# Altium PCB amp.PcbDoc (part 15 of 20)
Units mm, origin at the board's own origin, x right, y up, seen from the top; angles counter-clockwise.
Board outline 210 x 210 mm, 2 copper layers (Top Layer, Bottom Layer); 742 components, 1354 nets, 6402 pads, 5154 vias.
Unrouted connection lines stored in the file: 702.
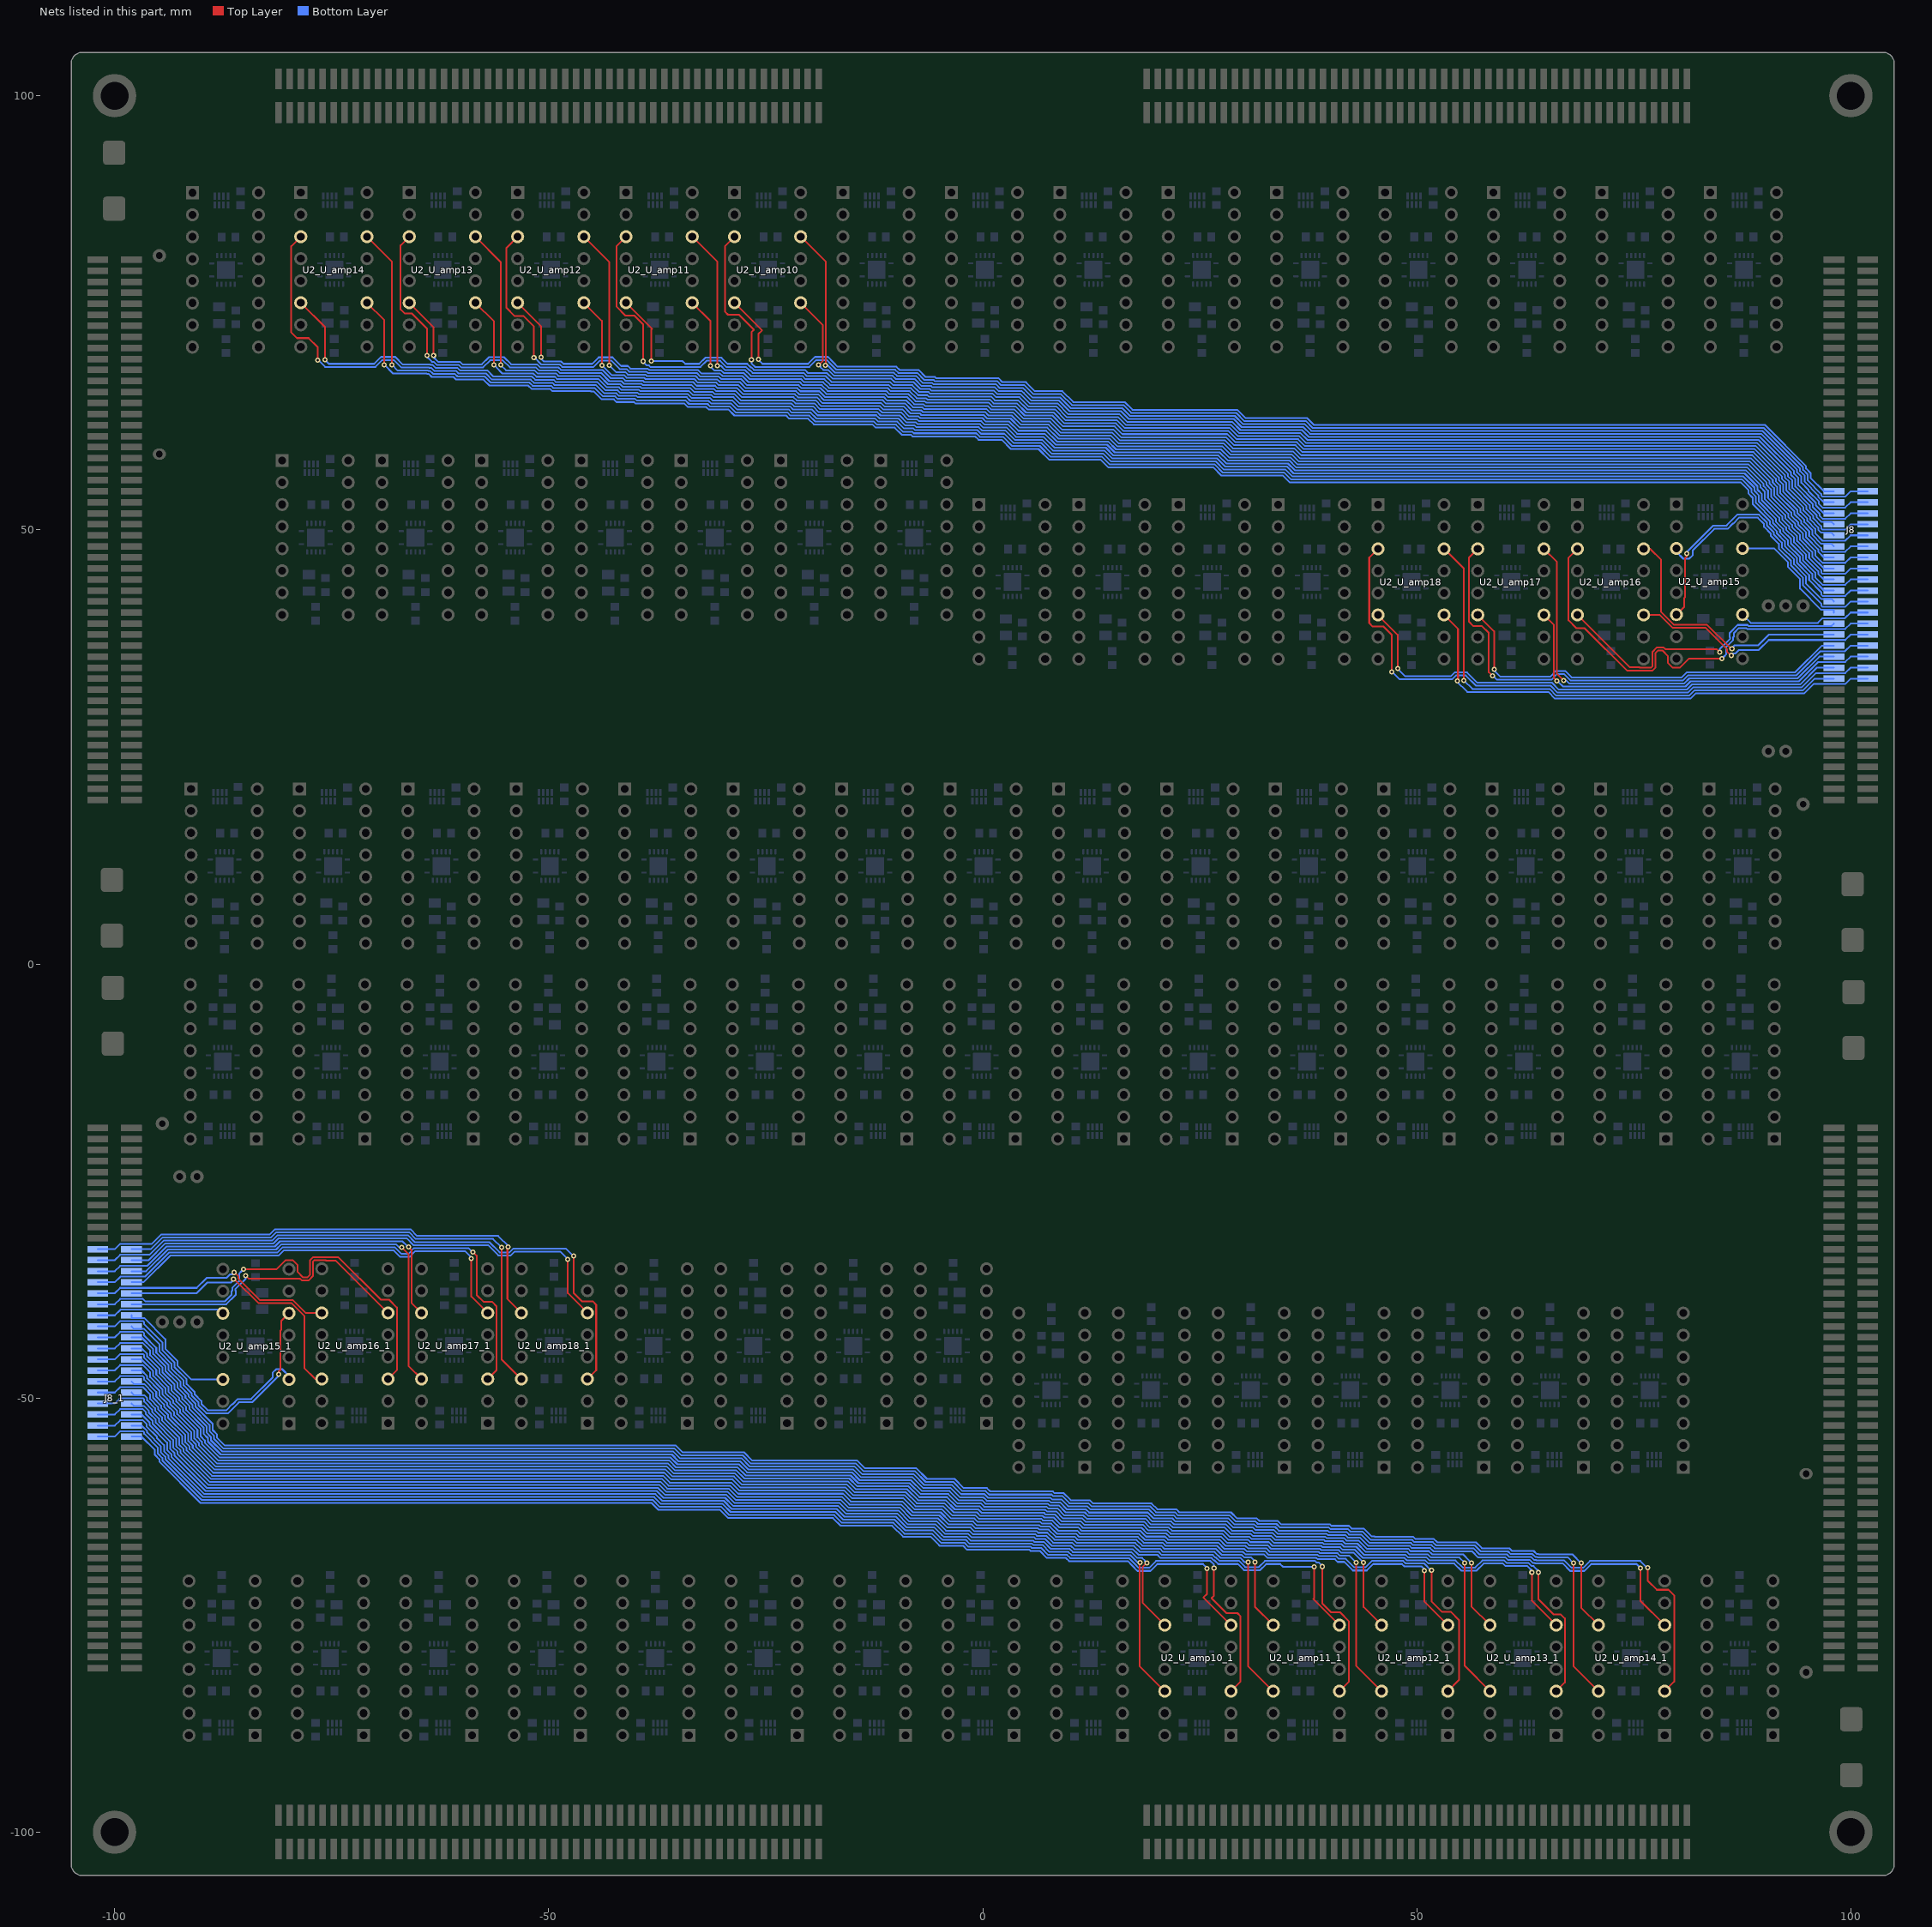
[diagram p15: the nets of this part, all layers, seen from the top]

## Via types
v1: diameter 0.6, hole 0.3, Top Layer to Bottom Layer, tented both sides, 4704 vias
v2: diameter 0.5, hole 0.3, Top Layer to Bottom Layer, 450 vias

## Nets (pads, with @x,y where several pads share a name; then routed paths per layer and width w, separated by ;. In a path a pad name is that pad's centre, name@x,y a point inside that pad or via, vN(x,y) a via of type N, cw(c..) or ccw(c..) an arc to the next point about the centre after c; other vN are vias at no path point) (continued)
NetJ8_23: J8.23 J8_1.23 U2_U_amp18.14 U2_U_amp18_1.14 | length 120.5
  Top Layer w0.2: v1(-55.423,-32.639) -55.423,-45.537 U2_U_amp18_1.14@-53.15,-47.81 ; U2_U_amp18.14@53.15,47.81 55.423,45.537 v1(55.423,32.639)
  Bottom Layer w0.2: J8_1.23@-98.05,-32.855 -95.825,-32.855 -94.465,-31.495 -81.978,-31.495 -81.387,-30.905 -66.074,-30.905 -65.298,-31.681 -56.413,-31.681 -55.456,-32.639 v1(-55.423,-32.639) ; v1(55.423,32.639) 55.456,32.639 56.413,31.681 65.298,31.681 66.074,30.905 81.387,30.905 81.978,31.495 94.465,31.495 95.825,32.855 J8.23@98.05,32.855
NetJ8_24: J8.24 J8_1.24 U2_U_amp18.11 U2_U_amp18_1.11 | length 115.2
  Top Layer w0.2: v1(-54.673,-32.603) -54.75,-32.68 -54.75,-38.59 U2_U_amp18_1.11@-53.15,-40.19 ; U2_U_amp18.11@53.15,40.19 54.75,38.59 54.75,32.68 v1(54.673,32.603)
  Bottom Layer w0.2: J8_1.24@-101.95,-32.855 -99.974,-32.855 -99.354,-32.235 -95.7,-32.235 -94.61,-31.145 -82.123,-31.145 -81.532,-30.555 -65.929,-30.555 -65.153,-31.331 -55.816,-31.331 -54.559,-32.588 -54.574,-32.603 v1(-54.673,-32.603) ; v1(54.673,32.603) 54.574,32.603 54.559,32.588 55.816,31.331 65.153,31.331 65.929,30.555 81.532,30.555 82.123,31.145 94.61,31.145 95.7,32.235 99.354,32.235 99.974,32.855 J8.24@101.95,32.855
NetJ8_25: J8.25 J8_1.25 U2_U_amp18.6 U2_U_amp18_1.6 | length 119.6
  Top Layer w0.2: v1(-47.803,-34.011) -47.803,-37.917 U2_U_amp18_1.6@-45.53,-40.19 ; U2_U_amp18.6@45.53,40.19 47.803,37.917 v1(47.803,34.011)
  Bottom Layer w0.2: J8_1.25@-98.05,-34.125 -96.105,-34.125 -94.175,-32.195 -81.688,-32.195 -81.097,-31.605 -66.364,-31.605 -65.588,-32.381 -56.991,-32.381 -55.799,-33.573 -54.371,-33.573 -53.919,-33.122 -48.692,-33.122 v1(-47.803,-34.011) ; v1(47.803,34.011) 48.692,33.122 53.919,33.122 54.371,33.573 55.799,33.573 56.991,32.381 65.588,32.381 66.364,31.605 81.097,31.605 81.688,32.195 94.175,32.195 96.105,34.125 J8.25@98.05,34.125
NetJ8_26: J8.26 J8_1.26 U2_U_amp18.3 U2_U_amp18_1.3 | length 147.6
  Top Layer w0.2: v1(-47.117,-33.63) -47.117,-37.922 -46.177,-38.862 -44.933,-38.862 -44.526,-39.268 -44.526,-46.807 U2_U_amp18_1.3@-45.53,-47.81 ; U2_U_amp18.3@45.53,47.81 44.526,46.807 44.526,39.268 44.933,38.862 46.177,38.862 47.117,37.922 v1(47.117,33.63)
  Bottom Layer w0.2: J8_1.26@-101.95,-34.125 -99.974,-34.125 -99.354,-33.505 -95.98,-33.505 -94.32,-31.845 -81.833,-31.845 -81.242,-31.255 -66.219,-31.255 -65.443,-32.031 -56.846,-32.031 -55.654,-33.223 -54.515,-33.223 -54.064,-32.772 -48.051,-32.772 -47.193,-33.63 v1(-47.117,-33.63) ; v1(47.117,33.63) 47.193,33.63 48.051,32.772 54.064,32.772 54.515,33.223 55.654,33.223 56.846,32.031 65.443,32.031 66.219,31.255 81.242,31.255 81.833,31.845 94.32,31.845 95.98,33.505 99.354,33.505 99.974,34.125 J8.26@101.95,34.125
NetJ8_27: J8.27 J8_1.27 U2_U_amp17.14 U2_U_amp17_1.14 | length 97.3
  Top Layer w0.2: v1(-66.904,-32.664) -66.155,-33.413 -66.155,-46.295 U2_U_amp17_1.14@-64.64,-47.81 ; U2_U_amp17.14@64.64,47.81 66.155,46.295 66.155,33.413 v1(66.904,32.664)
  Bottom Layer w0.2: J8_1.27@-98.05,-35.395 -96.385,-35.395 -93.885,-32.895 -81.398,-32.895 -80.807,-32.305 -67.546,-32.305 -67.186,-32.664 v1(-66.904,-32.664) ; v1(66.904,32.664) 67.186,32.664 67.546,32.305 80.807,32.305 81.398,32.895 93.885,32.895 96.385,35.395 J8.27@98.05,35.395
NetJ8_28: J8.28 J8_1.28 U2_U_amp17.11 U2_U_amp17_1.11 | length 91.9
  Top Layer w0.2: v1(-66.154,-32.593) -65.805,-32.942 -65.805,-39.025 U2_U_amp17_1.11@-64.64,-40.19 ; U2_U_amp17.11@64.64,40.19 65.805,39.025 65.805,32.942 v1(66.154,32.593)
  Bottom Layer w0.2: J8_1.28@-101.95,-35.395 -99.974,-35.395 -99.354,-34.775 -96.26,-34.775 -94.03,-32.545 -81.543,-32.545 -80.952,-31.955 -66.835,-31.955 -66.354,-32.437 -66.354,-32.529 -66.154,-32.729 v1(-66.154,-32.593) ; v1(66.154,32.593) 66.154,32.729 66.354,32.529 66.354,32.437 66.835,31.955 80.952,31.955 81.543,32.545 94.03,32.545 96.26,34.775 99.354,34.775 99.974,35.395 J8.28@101.95,35.395
NetJ8_29: J8.29 J8_1.29 U2_U_amp17.6 U2_U_amp17_1.6 | length 97.4
  Top Layer w0.2: v1(-58.903,-33.934) -58.903,-38.308 U2_U_amp17_1.6@-57.02,-40.19 ; U2_U_amp17.6@57.02,40.19 58.903,38.308 v1(58.903,33.934)
  Bottom Layer w0.2: J8_1.29@-98.05,-36.665 -96.665,-36.665 -93.595,-33.595 -81.108,-33.595 -80.518,-33.005 -67.836,-33.005 -67.099,-33.742 -66.029,-33.742 -65.369,-33.081 -59.629,-33.081 -58.903,-33.807 v1(-58.903,-33.934) ; v1(58.903,33.934) 58.903,33.807 59.629,33.081 65.369,33.081 66.029,33.742 67.099,33.742 67.836,33.005 80.518,33.005 81.108,33.595 93.595,33.595 96.665,36.665 J8.29@98.05,36.665
NetJ8_30: J8.30 J8_1.30 U2_U_amp17.3 U2_U_amp17_1.3 | length 125
  Top Layer w0.2: v1(-58.725,-33.172) -58.293,-33.604 -58.293,-38.125 -57.48,-38.938 -56.49,-38.938 -56.007,-39.421 -56.007,-46.797 U2_U_amp17_1.3@-57.02,-47.81 ; U2_U_amp17.3@57.02,47.81 56.007,46.797 56.007,39.421 56.49,38.938 57.48,38.938 58.293,38.125 58.293,33.604 v1(58.725,33.172)
  Bottom Layer w0.2: J8_1.30@-101.95,-36.665 -99.974,-36.665 -99.324,-36.015 -96.51,-36.015 -93.74,-33.245 -81.253,-33.245 -80.662,-32.655 -67.691,-32.655 -66.954,-33.392 -66.174,-33.392 -65.514,-32.731 -59.242,-32.731 -58.725,-33.249 v1(-58.725,-33.172) ; v1(58.725,33.172) 58.725,33.249 59.242,32.731 65.514,32.731 66.174,33.392 66.954,33.392 67.691,32.655 80.662,32.655 81.253,33.245 93.74,33.245 96.51,36.015 99.324,36.015 99.974,36.665 J8.30@101.95,36.665
NetJ8_31: J8.31 J8_1.31 U2_U_amp16.14 U2_U_amp16_1.14 | length 62
  Top Layer w0.2: v1@-86.433,-36.405 -86.095,-36.405 -83.409,-39.091 -79.604,-39.091 -78.156,-40.538 -78.156,-46.533 -76.878,-47.81 U2_U_amp16_1.14@-76.13,-47.81 ; U2_U_amp16.14@76.13,47.81 76.878,47.81 78.156,46.533 78.156,40.538 79.604,39.091 83.409,39.091 86.095,36.405 v1@86.433,36.405
  Bottom Layer w0.2: J8_1.31@-98.05,-37.935 -90.564,-37.935 -89.322,-36.694 -86.605,-36.694 -86.309,-36.398 v1(-86.309,-36.322) ; v1(86.309,36.322) 86.309,36.398 86.605,36.694 89.322,36.694 90.564,37.935 J8.31@98.05,37.935
NetJ8_32: J8.32 J8_1.32 U2_U_amp16.11 U2_U_amp16_1.11 | length 57.9
  Top Layer w0.2: v1(-86.233,-35.535) -86.193,-35.535 -85.737,-35.991 -85.737,-36.268 -83.264,-38.741 -79.459,-38.741 -78.009,-40.19 U2_U_amp16_1.11@-76.13,-40.19 ; U2_U_amp16.11@76.13,40.19 78.009,40.19 79.459,38.741 83.264,38.741 85.737,36.268 85.737,35.991 86.193,35.535 v1(86.233,35.535)
  Bottom Layer w0.2: J8_1.32@-101.95,-37.935 -99.974,-37.935 -99.354,-37.315 -90.553,-37.315 -89.392,-36.154 -87.114,-36.154 -86.733,-35.772 -86.42,-35.772 -86.233,-35.585 v1(-86.233,-35.535) ; v1(86.233,35.535) 86.233,35.585 86.42,35.772 86.733,35.772 87.114,36.154 89.392,36.154 90.553,37.315 99.354,37.315 99.974,37.935 J8.32@101.95,37.935
NetJ8_33: J8.33 J8_1.33 U2_U_amp16.6 U2_U_amp16_1.6 | length 72.6
  Top Layer w0.2: v1(-84.887,-35.916) -84.882,-35.916 -84.541,-36.257 -78.63,-36.257 -78.427,-36.46 -77.681,-36.46 -77.13,-35.909 -77.13,-34.255 -76.985,-34.11 -75.716,-34.11 -75.663,-34.163 -74.537,-34.163 U2_U_amp16_1.6@-68.51,-40.19 ; U2_U_amp16.6@68.51,40.19 74.537,34.163 75.663,34.163 75.716,34.11 76.985,34.11 77.13,34.255 77.13,35.909 77.681,36.46 78.427,36.46 78.63,36.257 84.541,36.257 84.882,35.916 v1(84.887,35.916)
  Bottom Layer w0.2: J8_1.33@-98.05,-39.205 -87.131,-39.205 -86.055,-38.13 -86.055,-37.655 -86.092,-37.617 -86.092,-37.454 -84.887,-36.249 v1(-84.887,-35.916) ; v1(84.887,35.916) 84.887,36.249 86.092,37.454 86.092,37.617 86.055,37.655 86.055,38.13 86.969,39.044 88.088,39.044 88.196,38.935 97.78,38.935 J8.33@98.05,39.205
NetJ8_34: J8.34 J8_1.34 U2_U_amp16.3 U2_U_amp16_1.3 | length 104.1
  Top Layer w0.2: v1(-85.166,-35.154) -81.323,-35.154 -80.281,-34.112 -79.492,-34.112 -78.908,-34.696 -78.908,-35.484 -78.282,-36.11 -77.826,-36.11 -77.48,-35.764 -77.48,-34.11 -77.13,-33.76 -74.241,-33.76 -69.342,-38.659 -68.402,-38.659 -67.488,-39.573 -67.488,-46.788 U2_U_amp16_1.3@-68.51,-47.81 ; U2_U_amp16.3@68.51,47.81 67.488,46.788 67.488,39.573 68.402,38.659 69.342,38.659 74.241,33.76 77.13,33.76 77.48,34.11 77.48,35.764 77.826,36.11 78.282,36.11 78.908,35.484 78.908,34.696 79.492,34.112 80.281,34.112 81.323,35.154 v1(85.166,35.154)
  Bottom Layer w0.2: J8_1.34@-101.95,-39.205 -99.974,-39.205 -99.354,-38.585 -96.746,-38.585 -96.476,-38.855 -87.276,-38.855 -86.528,-38.108 -86.528,-37.697 -86.442,-37.611 -86.442,-37.309 -85.665,-36.532 -85.665,-35.688 -85.343,-35.366 -85.192,-35.366 -85.166,-35.34 v1(-85.166,-35.154) ; v1(85.166,35.154) 85.166,35.34 85.192,35.366 85.343,35.366 85.665,35.688 85.665,36.532 86.442,37.309 86.442,37.611 86.528,37.697 86.528,38.108 87.114,38.694 87.943,38.694 88.051,38.585 99.354,38.585 99.974,39.205 J8.34@101.95,39.205
NetJ8_35: J8.35 J8_1.35 U2_U_amp15.14 U2_U_amp15_1.14 | length 29.5
  Bottom Layer w0.2: J8_1.35@-98.05,-40.475 -98.05,-40.775 -96.601,-40.775 -94.15,-43.226 -94.15,-44.347 -92.75,-45.747 -92.75,-46.293 -91.189,-47.854 U2_U_amp15_1.14@-87.528,-47.854 ; U2_U_amp15.14@87.528,47.854 91.189,47.854 92.75,46.293 92.75,45.747 94.15,44.347 94.15,43.226 96.601,40.775 98.05,40.775 J8.35@98.05,40.475
NetJ8_36: J8.36 J8_1.36 U2_U_amp15.11 U2_U_amp15_1.11 | length 30.2
  Bottom Layer w0.2: J8_1.36@-101.95,-40.475 -99.974,-40.475 -99.324,-39.825 -87.937,-39.825 U2_U_amp15_1.11@-87.528,-40.234 ; U2_U_amp15.11@87.528,40.234 88.477,39.285 96.206,39.285 96.746,39.825 99.324,39.825 99.974,40.475 J8.36@101.95,40.475
NetJ8_37: J8.37 J8_1.37 U2_U_amp15.6 U2_U_amp15_1.6 | length 64.3
  Top Layer w0.2: v1(-81.102,-47.277) -81.102,-46.964 -80.908,-46.77 -80.908,-42.253 -80.802,-42.147 -80.802,-41.127 U2_U_amp15_1.6@-79.908,-40.234 ; U2_U_amp15.6@79.908,40.234 80.802,41.127 80.802,42.147 80.908,42.253 80.908,46.77 81.102,46.964 v1(81.102,47.277)
  Bottom Layer w0.2: J8_1.37@-98.05,-41.745 -97.75,-42.045 -96.601,-42.045 -94.85,-43.796 -94.85,-44.637 -93.45,-46.037 -93.45,-46.583 -92.05,-47.983 -92.05,-48.531 -91.141,-49.439 -91.141,-49.684 -90.344,-50.48 -90.344,-50.823 -89.423,-51.744 -86.912,-51.744 -85.922,-50.754 -85.922,-50.75 -85.649,-50.477 -84.12,-50.477 -81.102,-47.459 v1(-81.102,-47.277) v1@-81.102,-47.177 ; v1@81.102,47.177 v1(81.102,47.277) 81.102,47.459 84.12,50.477 85.649,50.477 85.922,50.75 85.922,50.754 86.912,51.744 89.423,51.744 90.344,50.823 90.344,50.48 91.141,49.684 91.141,49.439 92.05,48.531 92.05,47.983 93.45,46.583 93.45,46.037 94.85,44.637 94.85,43.796 96.601,42.045 97.75,42.045 J8.37@98.05,41.745
NetJ8_38: J8.38 J8_1.38 U2_U_amp15.3 U2_U_amp15_1.3 | length 62.4
  Bottom Layer w0.2: J8_1.38@-101.95,-41.745 -99.974,-41.745 -99.354,-41.125 -96.746,-41.125 -96.6,-41.271 -96.6,-41.5 -94.5,-43.6 -94.5,-44.492 -93.1,-45.892 -93.1,-46.438 -91.7,-47.838 -91.7,-48.386 -90.791,-49.294 -90.791,-49.539 -89.994,-50.335 -89.994,-50.678 -89.278,-51.394 -87.114,-51.394 -86.439,-50.719 -86.382,-50.719 -86.382,-50.714 -85.794,-50.127 -84.265,-50.127 -81.802,-47.664 -81.802,-47.099 -81.38,-46.677 -80.702,-46.677 -79.908,-47.471 U2_U_amp15_1.3@-79.908,-47.854 ; U2_U_amp15.3@79.908,47.854 79.908,47.471 80.702,46.677 81.38,46.677 81.802,47.099 81.802,47.664 84.265,50.127 85.794,50.127 86.382,50.714 86.382,50.719 86.439,50.719 87.114,51.394 89.278,51.394 89.994,50.678 89.994,50.335 90.791,49.539 90.791,49.294 91.7,48.386 91.7,47.838 93.1,46.438 93.1,45.892 94.5,44.492 94.5,43.6 96.6,41.5 96.6,41.271 96.746,41.125 99.354,41.125 99.974,41.745 J8.38@101.95,41.745
NetJ8_39: J8.39 J8_1.39 U2_U_amp14.14 U2_U_amp14_1.14 | length 389.6
  Top Layer w0.2: U2_U_amp14.14@-70.932,83.77 -68.047,80.885 v1(-68.047,69.012) ; v1(68.047,-69.012) 68.047,-80.885 U2_U_amp14_1.14@70.932,-83.77
  Bottom Layer w0.2: J8_1.39@-98.05,-43.015 -96.901,-43.015 -95.55,-44.366 -95.55,-44.927 -94.15,-46.327 -94.15,-46.873 -92.75,-48.273 -92.75,-48.82 -91.841,-49.729 -91.841,-49.974 -91.044,-50.77 -91.044,-51.113 -89.057,-53.1 -89.057,-53.831 -88.55,-54.338 -88.55,-54.727 -87.475,-55.802 -35.519,-55.802 -34.732,-56.59 -27.656,-56.59 -26.724,-57.522 -14.632,-57.522 -13.741,-58.413 -7.823,-58.413 -6.569,-59.666 -3.393,-59.666 -2.339,-60.72 0.342,-60.72 0.741,-61.12 7.93,-61.12 8.126,-61.315 9.192,-61.315 9.997,-62.12 12.188,-62.12 12.562,-62.494 19.309,-62.494 19.975,-63.161 22.151,-63.161 22.511,-63.52 28.454,-63.52 29.154,-64.22 31.429,-64.22 31.71,-64.501 33.831,-64.501 34.25,-64.92 39.876,-64.92 40.032,-65.076 42.04,-65.076 42.338,-65.374 43.744,-65.374 44.677,-66.307 44.998,-66.307 45.005,-66.314 49.438,-66.314 49.715,-66.591 51.834,-66.591 52.206,-66.963 56.653,-66.963 57.353,-67.663 60.504,-67.663 60.806,-67.965 63.322,-67.965 63.672,-68.315 63.882,-68.315 63.904,-68.337 67.386,-68.337 67.386,-68.351 v1(68.047,-69.012) ; v1(-68.047,69.012) -67.386,68.351 -67.386,68.337 -63.904,68.337 -63.882,68.315 -63.672,68.315 -63.322,67.965 -60.806,67.965 -60.504,67.663 -57.353,67.663 -56.653,66.963 -52.206,66.963 -51.834,66.591 -49.715,66.591 -49.438,66.314 -45.005,66.314 -44.998,66.307 -44.677,66.307 -43.744,65.374 -42.338,65.374 -42.04,65.076 -40.032,65.076 -39.876,64.92 -34.25,64.92 -33.831,64.501 -31.71,64.501 -31.429,64.22 -29.154,64.22 -28.454,63.52 -22.511,63.52 -22.151,63.161 -19.975,63.161 -19.309,62.494 -12.562,62.494 -12.188,62.12 -9.997,62.12 -9.192,61.315 -8.126,61.315 -7.93,61.12 -0.741,61.12 -0.342,60.72 2.339,60.72 3.393,59.666 6.569,59.666 7.823,58.413 13.741,58.413 14.632,57.522 26.724,57.522 27.656,56.59 34.732,56.59 35.519,55.802 87.475,55.802 88.55,54.727 88.55,54.338 89.057,53.831 89.057,53.1 91.044,51.113 91.044,50.77 91.841,49.974 91.841,49.729 92.75,48.82 92.75,48.273 94.15,46.873 94.15,46.327 95.55,44.927 95.55,44.366 96.901,43.015 J8.39@98.05,43.015
NetJ8_40: J8.40 J8_1.40 U2_U_amp14.11 U2_U_amp14_1.11 | length 384.5
  Top Layer w0.2: U2_U_amp14.11@-70.932,76.15 -68.936,74.154 v1(-68.936,69.012) ; v1(68.936,-69.012) 68.936,-74.154 U2_U_amp14_1.11@70.932,-76.15
  Bottom Layer w0.2: J8_1.40@-101.95,-43.015 -99.974,-43.015 -99.354,-42.395 -96.746,-42.395 -96.6,-42.541 -96.6,-42.822 -95.2,-44.222 -95.2,-44.782 -93.8,-46.182 -93.8,-46.728 -92.4,-48.128 -92.4,-48.676 -91.491,-49.584 -91.491,-49.829 -90.694,-50.625 -90.694,-50.968 -88.707,-52.955 -88.707,-53.686 -88.2,-54.193 -88.2,-54.582 -87.33,-55.452 -35.374,-55.452 -34.587,-56.24 -27.511,-56.24 -26.579,-57.172 -14.488,-57.172 -13.596,-58.063 -7.678,-58.063 -6.425,-59.316 -3.248,-59.316 -2.194,-60.37 0.487,-60.37 0.886,-60.77 8.075,-60.77 8.271,-60.965 9.337,-60.965 10.142,-61.77 12.333,-61.77 12.707,-62.144 19.453,-62.144 20.12,-62.811 22.296,-62.811 22.656,-63.17 28.599,-63.17 29.299,-63.87 31.574,-63.87 31.855,-64.151 33.976,-64.151 34.395,-64.57 40.021,-64.57 40.177,-64.726 42.185,-64.726 42.483,-65.024 43.889,-65.024 44.822,-65.957 45.143,-65.957 45.15,-65.964 49.583,-65.964 49.86,-66.241 51.979,-66.241 52.351,-66.613 56.798,-66.613 57.498,-67.313 60.649,-67.313 60.951,-67.615 63.467,-67.615 63.817,-67.965 64.027,-67.965 64.049,-67.987 67.911,-67.987 v1(68.936,-69.012) ; v1(-68.936,69.012) -67.911,67.987 -64.049,67.987 -64.027,67.965 -63.817,67.965 -63.467,67.615 -60.951,67.615 -60.649,67.313 -57.498,67.313 -56.798,66.613 -52.351,66.613 -51.979,66.241 -49.86,66.241 -49.583,65.964 -45.15,65.964 -45.143,65.957 -44.822,65.957 -43.889,65.024 -42.483,65.024 -42.185,64.726 -40.177,64.726 -40.021,64.57 -34.395,64.57 -33.976,64.151 -31.855,64.151 -31.574,63.87 -29.299,63.87 -28.599,63.17 -22.656,63.17 -22.296,62.811 -20.12,62.811 -19.453,62.144 -12.707,62.144 -12.333,61.77 -10.142,61.77 -9.337,60.965 -8.271,60.965 -8.075,60.77 -0.886,60.77 -0.487,60.37 2.194,60.37 3.248,59.316 6.425,59.316 7.678,58.063 13.596,58.063 14.488,57.172 26.579,57.172 27.511,56.24 34.587,56.24 35.374,55.452 87.33,55.452 88.2,54.582 88.2,54.193 88.707,53.686 88.707,52.955 90.694,50.968 90.694,50.625 91.491,49.829 91.491,49.584 92.4,48.676 92.4,48.128 93.8,46.728 93.8,46.182 95.2,44.782 95.2,44.222 96.6,42.822 96.6,42.541 96.746,42.395 99.354,42.395 99.974,43.015 J8.40@101.95,43.015
NetJ8_41: J8.41 J8_1.41 U2_U_amp14.6 U2_U_amp14_1.6 | length 389
  Top Layer w0.2: U2_U_amp14.6@-78.552,76.15 -75.766,73.364 v1(-75.766,69.573) ; v1(75.766,-69.573) 75.766,-73.364 U2_U_amp14_1.6@78.552,-76.15
  Bottom Layer w0.2: J8_1.41@-98.05,-44.285 -96.901,-44.285 -96.25,-44.936 -96.25,-45.217 -94.85,-46.617 -94.85,-47.163 -93.45,-48.563 -93.45,-49.11 -92.541,-50.019 -92.541,-50.263 -91.744,-51.06 -91.744,-51.402 -89.757,-53.39 -89.757,-54.121 -89.25,-54.628 -89.25,-55.017 -87.765,-56.502 -35.809,-56.502 -35.022,-57.29 -27.946,-57.29 -27.014,-58.222 -14.922,-58.222 -14.031,-59.113 -8.113,-59.113 -6.859,-60.366 -3.683,-60.366 -2.629,-61.42 0.052,-61.42 0.451,-61.82 7.641,-61.82 7.836,-62.015 8.903,-62.015 9.708,-62.82 11.898,-62.82 12.272,-63.194 19.019,-63.194 19.685,-63.861 21.861,-63.861 22.221,-64.22 28.164,-64.22 28.864,-64.92 31.139,-64.92 31.42,-65.201 33.541,-65.201 33.96,-65.62 39.586,-65.62 39.742,-65.776 41.75,-65.776 42.048,-66.074 43.454,-66.074 44.387,-67.007 44.708,-67.007 44.715,-67.014 49.149,-67.014 49.425,-67.291 51.544,-67.291 51.916,-67.663 56.363,-67.663 57.063,-68.363 60.214,-68.363 60.516,-68.665 63.032,-68.665 63.382,-69.015 63.592,-69.015 63.614,-69.037 66.787,-69.037 67.661,-69.912 69.308,-69.912 70.1,-69.12 75.318,-69.12 75.766,-69.568 v1(75.766,-69.573) ; v1(-75.766,69.573) -75.766,69.568 -75.318,69.12 -70.1,69.12 -69.308,69.912 -67.661,69.912 -66.787,69.037 -63.614,69.037 -63.592,69.015 -63.382,69.015 -63.032,68.665 -60.516,68.665 -60.214,68.363 -57.063,68.363 -56.363,67.663 -51.916,67.663 -51.544,67.291 -49.425,67.291 -49.149,67.014 -44.715,67.014 -44.708,67.007 -44.387,67.007 -43.454,66.074 -42.048,66.074 -41.75,65.776 -39.742,65.776 -39.586,65.62 -33.96,65.62 -33.541,65.201 -31.42,65.201 -31.139,64.92 -28.864,64.92 -28.164,64.22 -22.221,64.22 -21.861,63.861 -19.685,63.861 -19.019,63.194 -12.272,63.194 -11.898,62.82 -9.708,62.82 -8.903,62.015 -7.836,62.015 -7.641,61.82 -0.451,61.82 -0.052,61.42 2.629,61.42 3.683,60.366 6.859,60.366 8.113,59.113 14.031,59.113 14.922,58.222 27.014,58.222 27.946,57.29 35.022,57.29 35.809,56.502 87.765,56.502 89.25,55.017 89.25,54.628 89.757,54.121 89.757,53.39 91.744,51.402 91.744,51.06 92.541,50.263 92.541,50.019 93.45,49.11 93.45,48.563 94.85,47.163 94.85,46.617 96.25,45.217 96.25,44.936 96.901,44.285 J8.41@98.05,44.285
NetJ8_42: J8.42 J8_1.42 U2_U_amp14.3 U2_U_amp14_1.3 | length 417.9
  Top Layer w0.2: U2_U_amp14.3@-78.552,83.77 -79.654,82.668 -79.654,72.746 -78.994,72.085 -77.648,72.085 -76.606,71.044 v1(-76.606,69.545) ; v1(76.606,-69.545) 76.606,-71.044 77.648,-72.085 78.994,-72.085 79.654,-72.746 79.654,-82.668 U2_U_amp14_1.3@78.552,-83.77
  Bottom Layer w0.2: J8_1.42@-101.95,-44.285 -99.974,-44.285 -99.354,-43.665 -96.746,-43.665 -95.9,-44.511 -95.9,-45.072 -94.5,-46.472 -94.5,-47.018 -93.1,-48.418 -93.1,-48.965 -92.191,-49.874 -92.191,-50.119 -91.394,-50.915 -91.394,-51.257 -89.407,-53.245 -89.407,-53.976 -88.9,-54.483 -88.9,-54.872 -87.62,-56.152 -35.664,-56.152 -34.877,-56.94 -27.801,-56.94 -26.869,-57.872 -14.777,-57.872 -13.886,-58.763 -7.968,-58.763 -6.714,-60.016 -3.538,-60.016 -2.484,-61.07 0.197,-61.07 0.596,-61.47 7.786,-61.47 7.981,-61.665 9.047,-61.665 9.853,-62.47 12.043,-62.47 12.417,-62.844 19.164,-62.844 19.83,-63.511 22.006,-63.511 22.366,-63.87 28.309,-63.87 29.009,-64.57 31.284,-64.57 31.565,-64.851 33.686,-64.851 34.105,-65.27 39.731,-65.27 39.887,-65.426 41.895,-65.426 42.193,-65.724 43.599,-65.724 44.532,-66.657 44.853,-66.657 44.86,-66.664 49.294,-66.664 49.57,-66.941 51.689,-66.941 52.061,-67.313 56.508,-67.313 57.208,-68.013 60.359,-68.013 60.661,-68.315 63.177,-68.315 63.527,-68.665 63.737,-68.665 63.759,-68.687 66.944,-68.687 67.819,-69.562 69.163,-69.562 69.955,-68.77 75.746,-68.77 76.546,-69.571 76.632,-69.571 v1(76.606,-69.545) ; v1(-76.606,69.545) -76.632,69.571 -76.546,69.571 -75.746,68.77 -69.955,68.77 -69.163,69.562 -67.819,69.562 -66.944,68.687 -63.759,68.687 -63.737,68.665 -63.527,68.665 -63.177,68.315 -60.661,68.315 -60.359,68.013 -57.208,68.013 -56.508,67.313 -52.061,67.313 -51.689,66.941 -49.57,66.941 -49.294,66.664 -44.86,66.664 -44.853,66.657 -44.532,66.657 -43.599,65.724 -42.193,65.724 -41.895,65.426 -39.887,65.426 -39.731,65.27 -34.105,65.27 -33.686,64.851 -31.565,64.851 -31.284,64.57 -29.009,64.57 -28.309,63.87 -22.366,63.87 -22.006,63.511 -19.83,63.511 -19.164,62.844 -12.417,62.844 -12.043,62.47 -9.853,62.47 -9.047,61.665 -7.981,61.665 -7.786,61.47 -0.596,61.47 -0.197,61.07 2.484,61.07 3.538,60.016 6.714,60.016 7.968,58.763 13.886,58.763 14.777,57.872 26.869,57.872 27.801,56.94 34.877,56.94 35.664,56.152 87.62,56.152 88.9,54.872 88.9,54.483 89.407,53.976 89.407,53.245 91.394,51.257 91.394,50.915 92.191,50.119 92.191,49.874 93.1,48.965 93.1,48.418 94.5,47.018 94.5,46.472 95.9,45.072 95.9,44.511 96.746,43.665 99.354,43.665 99.974,44.285 J8.42@101.95,44.285